# Altium PCB 电流测试工装板.PcbDoc (part 1 of 2)
Units mil, origin at the board's own origin, x right, y up, seen from the top; angles counter-clockwise.
Board outline 3885 x 2755 mil, 2 copper layers (Top Layer, Bottom Layer); 111 components, 106 nets, 455 pads, 494 vias.
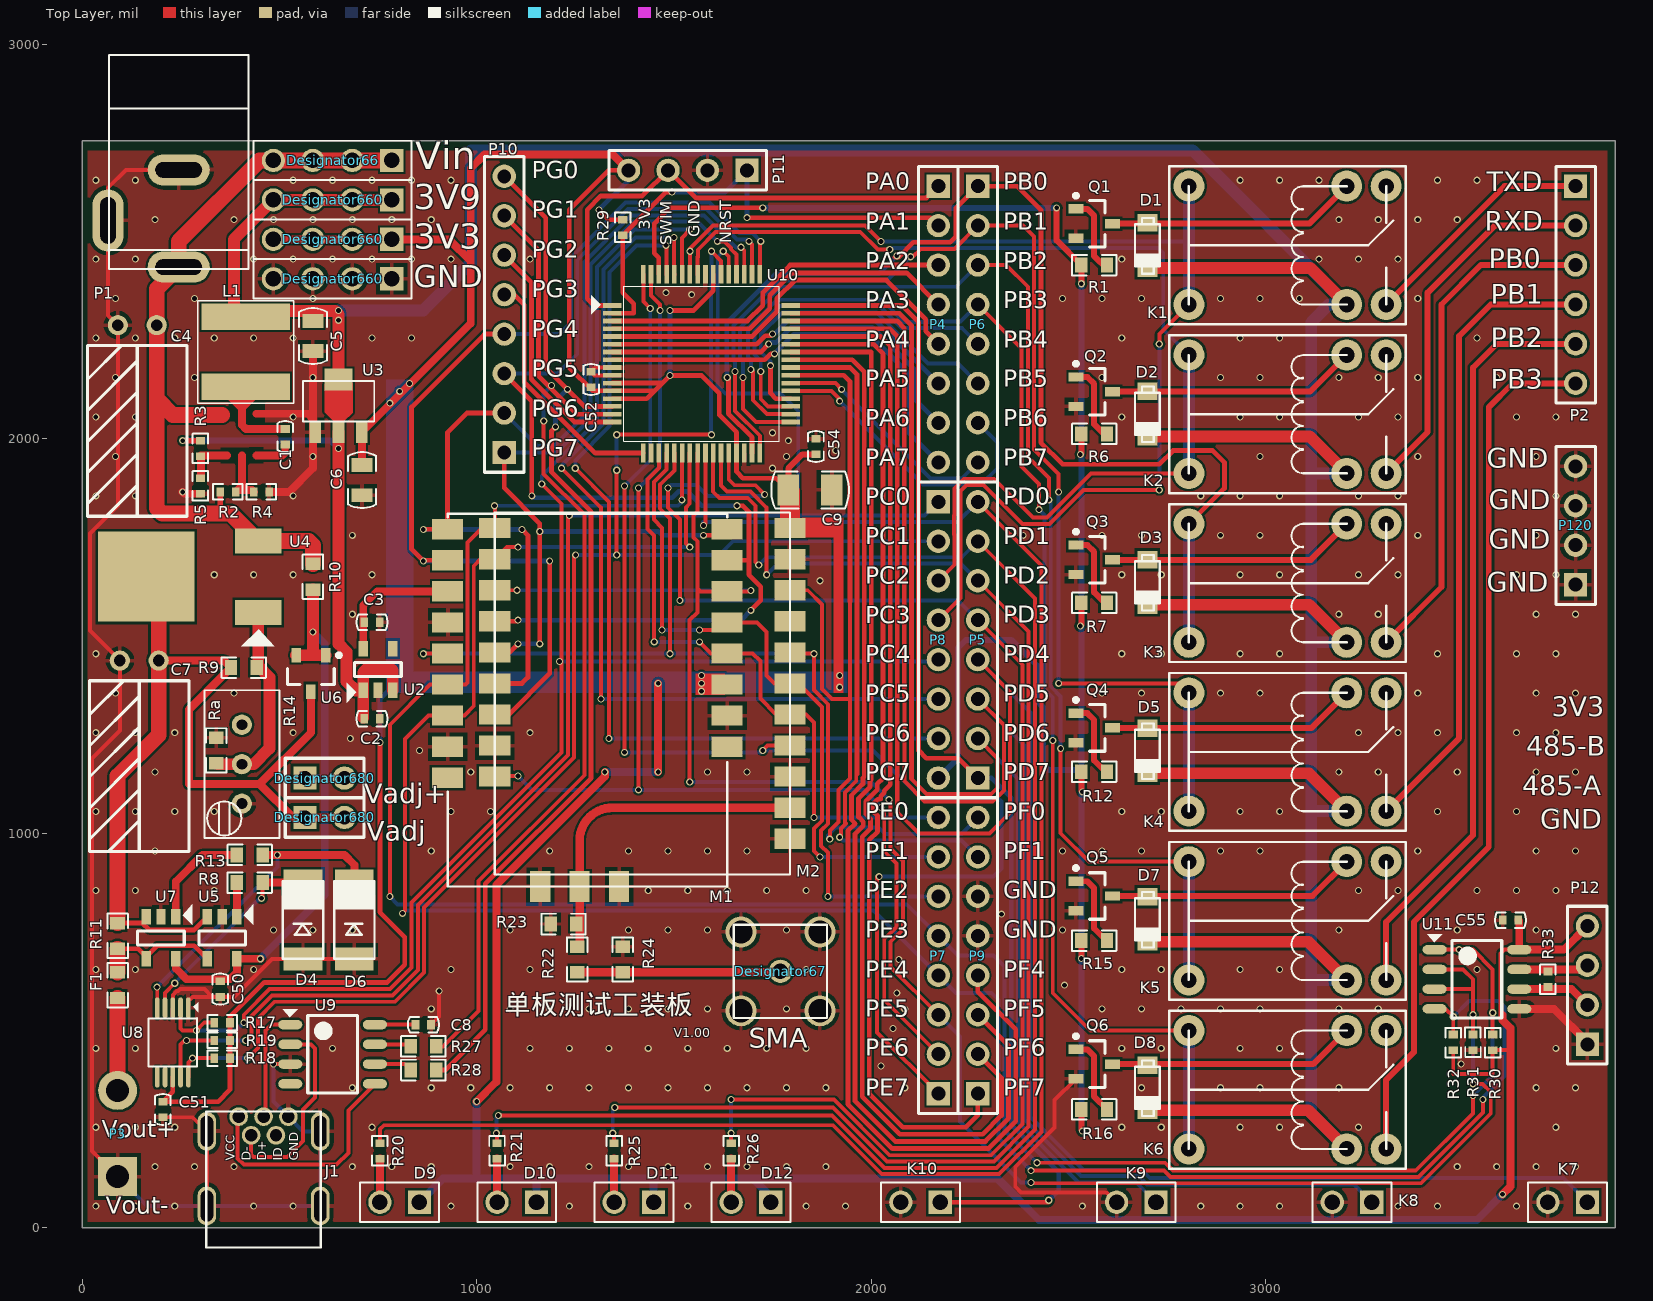
[diagram p0: Top Layer view]
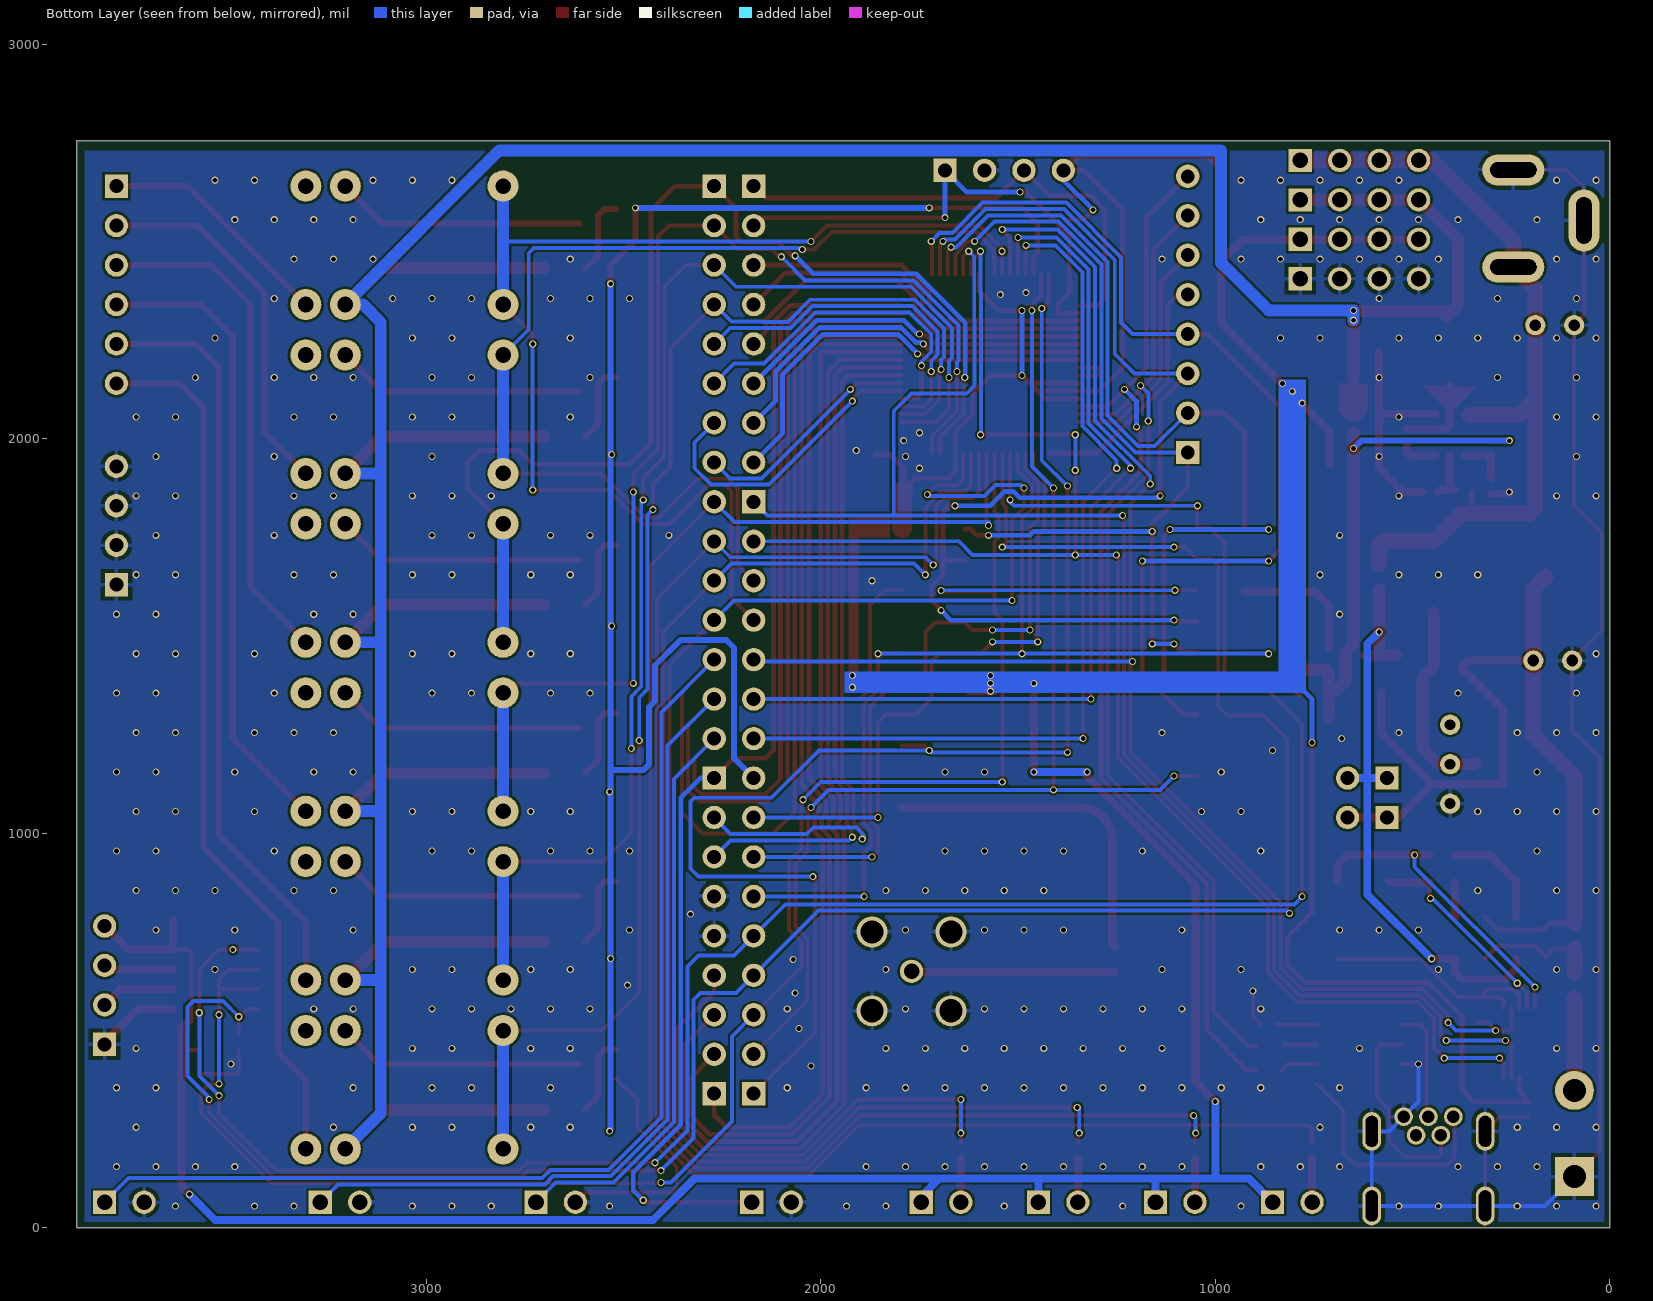
[diagram p1: Bottom Layer view, seen from below]
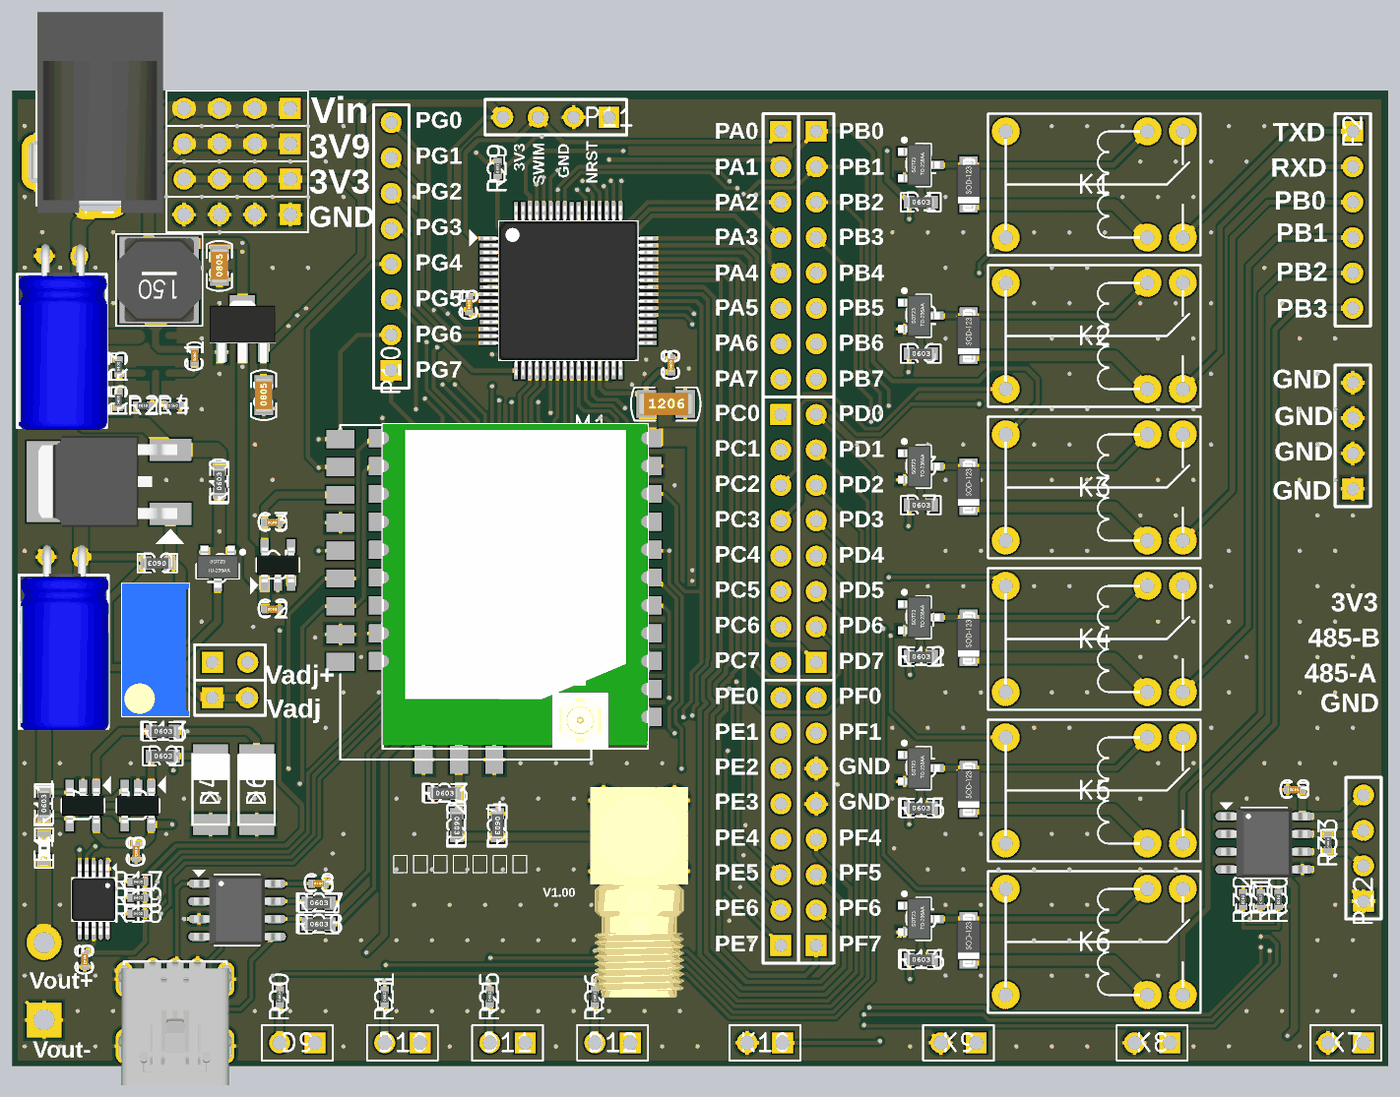
[diagram p3: 3D render of the assembled board from above, using the file's embedded part models]

## Layer stack, top to bottom
Top Solder: solder mask 0.4, Solder Resist, Dk 3.5
Top Layer: signal copper 1.4
Dielectric1: dielectric 12.6, FR-4, Dk 4.8
Bottom Layer: signal copper 1.4
Bottom Solder: solder mask 0.4, Solder Resist, Dk 3.5

## Board outline
0,0 3885,0 3885,2755 0,2755

## Design rules (kind name [scope] priority, off if disabled: settings)
Clearance [All] p1: gap=6
ComponentClearance [All] p1 off: gap=10 collisioncheckmode=3 verticalgap=10 showdistances=FALSE
Height [All] p1 off: minheight=0 maxheight=1000 prefheight=500
MinimumSolderMaskSliver [All] p1: minsoldermaskwidth=0
PolygonConnect VIA [IsVia] p1: connectstyle=Direct reliefconductorwidth=10 reliefentries=4 polygonreliefangle="90 Angle" airgapwidth=10
PolygonConnect [All] p2: connectstyle=Relief reliefconductorwidth=10 reliefentries=4 polygonreliefangle="90 Angle" airgapwidth=10
RoutingVias [All] p1: holewidth=12 width=18 viastyle="Through Hole" minholewidth=12 minwidth=18 maxholewidth=28 maxwidth=50
SilkToSilkClearance [All] p1: silktosilkclearance=0
SilkToSolderMaskClearance [IsPad] p1: minsilkscreentomaskgap=0 clearancetoexposedcopper=TRUE
SolderMaskExpansion [All] p1: expansion=4
Width [All] p1: maxlimit=66666 minlimit=6 preferedwidth=10
25 further rules are at their usual default settings.

## Classes and differential pairs
component class 电流测试工装板: C1 C2 C3 C4 C5 C6 C7 C8 C9 D1 D2 D3 D4 D5 D6 D7 D8 D9 D10 D11 D12 F1 J1 K1 K2 K3 K4 K5 K6 K7 K8 K9 K10 L1 M1 M2 P1 P2 P3 P4 P5 P6 P7 P8 P9 P10 P11 P12 Q1 Q2 Q3 Q4 Q5 Q6 R1 R2 R3 R4 R5 R6 R7 R8 R9 R10 R11 R12 R13 R14 R15 R16 R17 R18 R19 R20 R21 R22 R23 R24 R25 R26 R27 R28 R29 R30 R31 R32 R33 U2 U3 U4 U5 U6 U7 U8 U9 U10 U11

## Components (designator, comment, footprint, x,y, rotation, side; value= is the part's Value field where it differs from the comment)
C1 "0.1uF±10%/50V" c0402 515,2005 r270 top
C2 "1uF" C0402 735,1290 r180 top
C3 "0.1uF" C0402 735,1535 r180 top
C4 "330uF±20%/10V" CAP_2P_2R5_D6R3H11_W 140,2020 r180 top
C5 "10uF±10%/16V" c0805 585,2260 r90 top
C6 "10uF±10%/16V" c0805 710,1895 r90 top
C7 "330uF±20%/10V" CAP_2P_2R5_D6R3H11_W 145,1170 r180 top
C8 "100nF" c0402 865,515 r0 top
C9 "47uF±20%/6.3V" C1206 1845,1870 r0 top
C50 "100nF" c0402 350,605 r270 top (schematic designator C8)
C51 "100nF" c0402 205,300 r270 top (schematic designator C8)
C52 "100nF" c0402 1290,2150 r90 top (schematic designator C8)
C54 "100nF" c0402 1860,1980 r90 top (schematic designator C8)
C55 "100nF" c0402 3620,780 r180 top (schematic designator C8)
D1 "1N4148" SOD123_2P_1R6X2R7 2700,2490 r270 top
D2 "1N4148" SOD123_2P_1R6X2R7 2700,2063 r270 top
D3 "1N4148" SOD123_2P_1R6X2R7 2700,1636 r270 top
D4 "3.9V/1W" LL41_2P_D2R5H5R0 560,780 r90 top
D5 "1N4148" SOD123_2P_1R6X2R7 2700,1209 r270 top
D6 "3.9V/1W" LL41_2P_D2R5H5R0 690,780 r90 top
D7 "1N4148" SOD123_2P_1R6X2R7 2700,782 r270 top
D8 "1N4148" SOD123_2P_1R6X2R7 2700,355 r270 top
D9 "LED/红" PZ_1X2P_2R54_Z 805,65 r180 top
D10 "LED/红" PZ_1X2P_2R54_Z 1101.67,65 r180 top
D11 "LED/红" PZ_1X2P_2R54_Z 1398.33,65 r180 top
D12 "LED/红" PZ_1X2P_2R54_Z 1695,65 r180 top
Designator66 "Comment" PZ_1X4P_2R54_Z 635,2705 r180 top
Designator67 "Comment" RF_SMA_W_DIP 1770,650 r180 top
Designator660 "Comment" PZ_1X4P_2R54_Z 635,2605 r180 top
Designator660 "Comment" PZ_1X4P_2R54_Z 635,2505 r180 top
Designator660 "Comment" PZ_1X4P_2R54_Z 635,2405 r180 top
Designator680 "Comment" HDR1X2#1 565,1040 r0 top
Designator680 "Comment" HDR1X2#1 565,1140 r0 top
F1 "100mA/15V" FUSE0603 90,615 r90 top
J1 "（mini）" DIP_MINI_USB-1 460,150 r0 top
K1 "Relay-SPDT" SRS-XXVDC-SL 3055,2490 r180 top
K2 "Relay-SPDT" SRS-XXVDC-SL 3055,2062 r180 top
K3 "Relay-SPDT" SRS-XXVDC-SL 3055,1634 r180 top
K4 "Relay-SPDT" SRS-XXVDC-SL 3055,1206 r180 top
K5 "Relay-SPDT" SRS-XXVDC-SL 3055,778 r180 top
K6 "Relay-SPDT" SRS-XXVDC-SL 3055,350 r180 top
K7 "轻触开关" PZ_1X2P_2R54_Z 3765,65 r180 top
K8 "轻触开关" PZ_1X2P_2R54_Z 3218.33,65 r180 top
K9 "轻触开关" PZ_1X2P_2R54_Z 2671.67,65 r180 top
K10 "轻触开关" PZ_1X2P_2R54_Z 2125,65 r180 top
L1 "SWPA6028S4R7MT" SMD_INC_2P_6R0X6R0 415,2220 r90 top
M1 "BLM0210B" FskMode_BL 1635,1810 r180 top
M2 "RM-LORA-LF" LORA_PIN_1 1420,1360 r180 top
P1 "Header 2" DC5_3P_9R5X14_P 245,2435 r180 top
P2 "Header 6" HDR1X6 3785,2640 r270 top
P3 "被测板" HDR1X2#2 90,130 r90 top
P4 "Header 8" HDR1X8 2170,2640 r270 top
P5 "Header 8" HDR1X8 2270,1140 r90 top
P6 "Header 8" HDR1X8 2270,2640 r270 top
P7 "Header 8" HDR1X8 2170,340 r90 top
P8 "Header 8" HDR1X8 2170,1840 r270 top
P9 "Header 8" HDR1X8 2270,340 r90 top
P10 "Header 8" HDR1X8 1070,1965 r90 top
P11 "Header 4" HDR1X4 1685,2680 r180 top
P12 "Header 4" HDR1X4 3815,465 r90 top
P120 "Header 4" HDR1X4 3785,1630 r90 top (schematic designator P12)
Q1 "S8050" SOT23_3P_0R95_1R3X2R9 2565,2545 r0 top
Q2 "S8050" SOT23_3P_0R95_1R3X2R9 2565,2119 r0 top
Q3 "S8050" SOT23_3P_0R95_1R3X2R9 2565,1693 r0 top
Q4 "S8050" SOT23_3P_0R95_1R3X2R9 2565,1267 r0 top
Q5 "S8050" SOT23_3P_0R95_1R3X2R9 2565,841 r0 top
Q6 "S8050" SOT23_3P_0R95_1R3X2R9 2565,415 r0 top
R1 "10K±1%" R0603 2565,2440 r0 top
R2 "100K±1%" R0402 370,1865 r180 top
R3 "390k." R0402 300,1975 r90 top
R4 "100K±1%" R0402 455,1865 r180 top
R5 "100K±1%" R0402 300,1880 r90 top
R6 "10K±1%" R0603 2565,2012 r0 top
R7 "10K±1%" R0603 2565,1584 r0 top
R8 "1K±1%" R0603 425,875 r0 top
R9 "100R±1%" R0603 410,1420 r180 top
R10 "3K±1%" R0603 585,1650 r90 top
R11 "1R" R0603 90,740 r90 top
R12 "10K±1%" R0603 2565,1156 r0 top
R13 "1K±1%" R0603 425,945 r0 top
R14 "Res Adj1" RW_3P_3296_W 405,1175 r0 top
R15 "10K±1%" R0603 2565,728 r0 top
R16 "10K±1%" R0603 2565,300 r0 top
R17 "10K±5%" R0402 355,520 r0 top
R18 "10K±5%" R0402 355,430 r0 top
R19 "10K±5%" R0402 355,475 r0 top
R20 "1K±5%" R0402 755,195 r90 top
R21 "1K±5%" R0402 1051.67,195 r90 top
R22 "0R" R0603 1255,680 r270 top
R23 "0R" R0603 1220,770 r0 top
R24 "0R" R0603 1370,680 r270 top
R25 "1K±5%" R0402 1348.33,195 r90 top
R26 "1K±5%" R0402 1645,195 r90 top
R27 "1K±1%" R0603 865,460 r0 top
R28 "1K±1%" R0603 865,400 r0 top
R29 "10K±5%" R0402 1370,2535 r90 top
R30 "10K±5%" R0402 3575,470 r270 top
R31 "10K±5%" R0402 3525,470 r90 top
R32 "10K±5%" R0402 3475,470 r270 top
R33 "NC" R0402 3715,630 r270 top
Ra "100R±1%" R0603 340,1210 r270 top (schematic designator R9)
U2 "XC6228D252" SOT23_5P_0R95_1R6X2R9 750,1415 r90 top
U3 "ht7333" SOT89_3P_1R5_2R5X4R5 650,2095 r0 top
U4 "LM317-ADJ" TO252_3P_2R3_6R2X6R7 285,1650 r90 top
U5 "INA180A2" SOT23_5P_0R95_1R6X2R9 355,735 r270 top
U6 "TL431" SOT23_3P_0R95_1R3X2R9 580,1405 r270 top
U7 "INA180A4" SOT23_5P_0R95_1R6X2R9 200,735 r270 top
U8 "ADS1115" MSOP_10P_3R0X5R0_P 230,470 r270 top
U9 "CH330N" SOP_8P_1R27_3R9X4R9 635,440 r0 top
U10 "STM8L052R8" LQFP_64P_0R5_10R0X10R0 1570,2190 r0 top
U11 "SP3485EN" SOP_8P_1R27_3R9X4R9 3535,630 r0 top

## Footprints (in the part's own frame and the unit in brackets; to place one, negate y for a bottom-side part, rotate by r counter-clockwise, add the part's x,y. Pads: shape width x height; smd on the part's side, far side on the other; paste and mask are expansions set on the pad)
c0402 [mm]
  rect 0.5x0.6 smd: 1(-0.5,0) 2(0.5,0)
  Top Layer pour cut-out: -0.15,0.413 -0.15,-0.416 0.16,-0.417 0.16,0.415
  silkscreen extent -1,-0.5 1,0.5, body extent -0.86,-0.43 0.88,0.41, height 0.51
C0402 [mm]
  rect 0.5x0.6 smd: 1(-0.5,0) 2(0.5,0)
  Top Layer pour cut-out: -0.15,0.413 -0.15,-0.416 0.16,-0.417 0.16,0.415
  silkscreen extent -1,-0.5 1,0.5, body extent -0.86,-0.43 0.88,0.41, height 0.51
c0805 [mm] "Chip Capacitor, 2-Leads, Body 2.00x1.20mm,"
  rect 0.9x1.35 smd: 1(-0.975,0) 2(0.975,0)
  silkscreen extent -1.8,-0.9 1.8,0.9, body extent -1.56,-0.81 1.56,0.81, height 0.79
C1206 [mm]
  rect 1.4x2 smd: 1(-1.4,0) 2(1.4,0)
  silkscreen extent -2.5,-1.2 2.5,1.19, body extent -2.6,-1.1 2.6,1.1, height 1.53
CAP_2P_2R5_D6R3H11_W [mm]
  round 1.3 hole 0.75: 1(-1.25,-6.8) 2(1.25,-6.8)
  silkscreen extent -3.2,-5.5 3.2,5.5, body extent -3.25,-7.66 3.1,5.66, height 6.38
DC5_3P_9R5X14_P [mm]
  oval 4x2 hole 1 slot 3 at 0 deg: 1(0,0) 3(0,-6.25)
  oval 2x4 hole 1 slot 3 at 90 deg: 2(4.55,-3)
  silkscreen extent -4.5,-13.65 4.52,0.13, body extent -4.75,-13.88 5.96,1.25, height 11.25
DIP_MINI_USB-1 [mm]
  round 1.2 hole 0.8: 1(-1.6,3.35) 2(-0.8,2.15) 3(0,3.35) 4(0.8,2.15) 5(1.6,3.35)
  oval 1.2x2.5 hole 0.8 slot 2 at 90 deg: A(-3.65,-2.4) A(-3.65,2.4) A(3.65,-2.4) A(3.65,2.4)
  silkscreen extent -3.68,-5.08 3.68,3.68, body extent -4.07,-5.22 4.08,3.61, height 3.95
FskMode_BL [mm]
  rect 2x1.3 smd: 1(18,1) 2(18,3) 3(18,5) 4(18,7) 5(18,9) 6(18,11) 7(18,13) 8(18,15) 9(18,17) 13(0,15) 14(0,13) 15(0,11) 16(0,9) 17(0,7) 18(0,5) 19(0,3) 20(0,1)
  rect 1.3x2 smd: 10(12.04,24) 11(9.5,24) 12(6.96,24)
  silkscreen extent 0,0 18,24
FUSE0603 [mm]
  rect 0.8x0.95 smd: 1(-0.825,0) 2(0.825,0)
  silkscreen extent -1.42,-0.66 1.43,0.66, body extent -1.35,-0.6 1.34,0.61, height 0.53
HDR1X2#1 [mm] "Connector; Header; 2 Position"
  rect 1.5x1.5 hole 0.9: 1(0,0)
  round 1.5 hole 0.9: 2(2.54,0)
  silkscreen extent -1.27,-1.27 3.81,1.27
HDR1X2#2 [mm] "Connector; Header; 2 Po"
  rect 2.5x2.5 hole 1.5: 1(0,0)
  round 2.5 hole 1.5: 2(5.54,0)
HDR1X4 [mm] "Connector; Header; 4 Po"
  rect 1.5x1.5 hole 0.9: 1(0,0)
  round 1.5 hole 0.9: 2(2.54,0) 3(5.08,0) 4(7.62,0)
  silkscreen extent -1.27,-1.27 8.89,1.27
HDR1X6 [mm] "Connector; Header; 6 Po"
  rect 1.5x1.5 hole 0.9: 1(0,0)
  round 1.5 hole 0.9: 2(2.54,0) 3(5.08,0) 4(7.62,0) 5(10.16,0) 6(12.7,0)
  silkscreen extent -1.27,-1.27 13.97,1.27
HDR1X8 [mm] "Connector; Header; 8 Po"
  rect 1.5x1.5 hole 0.9: 1(0,0)
  round 1.5 hole 0.9: 2(2.54,0) 3(5.08,0) 4(7.62,0) 5(10.16,0) 6(12.7,0) 7(15.24,0) 8(17.78,0)
  silkscreen extent -1.27,-1.27 19.05,1.27
LL41_2P_D2R5H5R0 [mm]
  rect 1.5x2.5 smd: 1(-2.5,0) 2(2.5,0)
  silkscreen extent -2.5,-1.3 2.5,1.3, body extent -2.45,-1.23 2.45,1.3, height 2.51
LORA_PIN_1 [mm]
  rect 2x1.3 smd: 1(9.5,-10.5) 2(9.5,-8.5) 3(9.5,-6.5) 4(9.5,-4.5) 5(9.5,-2.5) 6(9.5,-0.5) 7(9.5,1.5) 8(9.5,3.5) 9(9.5,5.5) 10(-9.5,9.5) 11(-9.5,7.5) 12(-9.5,5.5) 13(-9.5,3.5) 14(-9.5,1.5) 15(-9.5,-0.5) 16(-9.5,-2.5) 17(-9.5,-4.5) 18(-9.5,-6.5) 19(-9.5,-8.5) 20(-9.5,-10.5)
  silkscreen extent -9.5,-11.5 9.5,11.8, body extent -9.5,-11.5 9.5,11.75, height 1.7
LQFP_64P_0R5_10R0X10R0 [mm]
  rect 1.2x0.3 smd: 1(-5.75,3.75) 2(-5.75,3.25) 3(-5.75,2.75) 4(-5.75,2.25) 5(-5.75,1.75) 6(-5.75,1.25) 7(-5.75,0.75) 8(-5.75,0.25) 9(-5.75,-0.25) 10(-5.75,-0.75) 11(-5.75,-1.25) 12(-5.75,-1.75) 13(-5.75,-2.25) 14(-5.75,-2.75) 15(-5.75,-3.25) 16(-5.75,-3.75) 33(5.75,-3.75) 34(5.75,-3.25) 35(5.75,-2.75) 36(5.75,-2.25) 37(5.75,-1.75) 38(5.75,-1.25) 39(5.75,-0.75) 40(5.75,-0.25) 41(5.75,0.25) 42(5.75,0.75) 43(5.75,1.25) 44(5.75,1.75) 45(5.75,2.25) 46(5.75,2.75) 47(5.75,3.25) 48(5.75,3.75)
  rect 0.3x1.2 smd: 17(-3.75,-5.75) 18(-3.25,-5.75) 19(-2.75,-5.75) 20(-2.25,-5.75) 21(-1.75,-5.75) 22(-1.25,-5.75) 23(-0.75,-5.75) 24(-0.25,-5.75) 25(0.25,-5.75) 26(0.75,-5.75) 27(1.25,-5.75) 28(1.75,-5.75) 29(2.25,-5.75) 30(2.75,-5.75) 31(3.25,-5.75) 32(3.75,-5.75) 49(3.75,5.75) 50(3.25,5.75) 51(2.75,5.75) 52(2.25,5.75) 53(1.75,5.75) 54(1.25,5.75) 55(0.75,5.75) 56(0.25,5.75) 57(-0.25,5.75) 58(-0.75,5.75) 59(-1.25,5.75) 60(-1.75,5.75) 61(-2.25,5.75) 62(-2.75,5.75) 63(-3.25,5.75) 64(-3.75,5.75)
  silkscreen extent -7.1,-5 5,5, body extent -6.42,-6.41 6.41,6.44, height 1.62
MSOP_10P_3R0X5R0_P [mm] "TSSOP, 10-Leads, Body 3.00x3.00mm, Pitch 0.50mm, Thermal Pad 2.10x1.83mm, IPC"
  oval 1.35x0.3 smd: 1(-2.225,1) 2(-2.225,0.5) 3(-2.225,0) 4(-2.225,-0.5) 5(-2.225,-1) 6(2.225,-1) 7(2.225,-0.5) 8(2.225,0) 9(2.225,0.5) 10(2.225,1)
  silkscreen extent -2.6,-1.55 1.55,1.65, body extent -3.03,-1.65 3.07,1.65, height 1.1
PZ_1X2P_2R54_Z [mm]
  rect 1.5x1.5 hole 1: 1(-1.27,0)
  round 1.5 hole 1: 2(1.27,0)
  silkscreen extent -2.54,-1.27 2.54,1.27, body extent -2.54,-1.27 2.54,1.27, height 8.57
PZ_1X4P_2R54_Z [mm]
  rect 1.5x1.5 hole 1: 1(-3.81,0)
  round 1.5 hole 1: 2(-1.27,0) 3(1.27,0) 4(3.81,0)
  silkscreen extent -5.08,-1.27 5.08,1.27, body extent -5.08,-1.27 5.08,1.27, height 8.57
R0402 [mm]
  rect 0.5x0.6 smd: 1(-0.5,0) 2(0.5,0)
  Top Layer pour cut-out: -0.15,0.413 -0.15,-0.416 0.16,-0.417 0.16,0.415
  silkscreen extent -0.94,-0.5 0.96,0.5, body extent -0.86,-0.43 0.88,0.41, height 0.51
R0603 [mm]
  rect 0.8x0.95 smd: 1(-0.825,0) 2(0.825,0)
  silkscreen extent -1.42,-0.66 1.43,0.66, body extent -1.34,-0.6 1.34,0.61, height 0.79
RF_SMA_W_DIP [mm]
  round 1.5 hole 1: 1(0,0)
  round 2 hole 1.5: 2(-2.54,2.54) 2(-2.54,-2.54) 2(2.54,2.54) 2(2.54,-2.54)
  silkscreen extent -3,-3 3,3, body extent -3.5,-3.5 3.5,11.6, height 9.86
RW_3P_3296_W [mm]
  round 1.3 hole 0.7: 1(0,-2.54) 2(0,0) 3(0,2.54)
  silkscreen extent -2.41,-4.76 2.41,4.76, body extent -2.42,-4.77 2.42,4.77, height 11.55
SMD_INC_2P_6R0X6R0 [mm]
  rect 1.7x5.7 smd: 1(-2.25,0) 2(2.25,0)
  silkscreen extent -3.3,-3.1 3.3,3.1, body extent -3.3,-3.1 3.3,3.1, height 2.81
SOD123_2P_1R6X2R7 [mm]
  rect 1.15x1.3 smd: 1(-1.45,0) 2(1.45,0)
  silkscreen extent -1.76,-0.8 1.82,0.8, body extent -2.26,-0.92 2.27,0.93, height 1.42
SOP_8P_1R27_3R9X4R9 [mm] "SOP, 8-Leads, Body 4.89x3.90mm, Pitch 1.27mm, IPC"
  oval 1.55x0.6 smd: 1(-2.725,1.905) 2(-2.725,0.635) 3(-2.725,-0.635) 4(-2.725,-1.905) 5(2.725,-1.905) 6(2.725,-0.635) 7(2.725,0.635) 8(2.725,1.905)
  silkscreen extent -3.2,-2.5 1.6,2.89, body extent -3.7,-2.75 3.7,2.75, height 1.75
SOT23_3P_0R95_1R3X2R9 [mm] "SOT23, 3-Leads, Body 2.90x2.40mm, Pitch 0.95mm,"
  rect 0.95x0.6 smd: 1(-1.175,0.95) 2(-1.175,-0.95) 3(1.175,0)
  silkscreen extent -1.3,-1.5 0.7,1.92, body extent -1.82,-1.61 1.81,1.62, height 1.3
SOT23_5P_0R95_1R6X2R9 [mm]
  rect 1x0.6 smd: 1(-1.35,0.95) 2(-1.35,0) 3(-1.35,-0.95) 4(1.35,-0.95) 5(1.35,0.95)
  silkscreen extent -2.15,-1.5 0.45,2, body extent -1.25,-1.5 1.25,1.5, height 1.05
SOT89_3P_1R5_2R5X4R5 [mm]
  rect 0.75x1.4 smd: 1(-1.5,-2) 2(0,-2) 3(1.5,-2)
  rect 1.8x1.4 smd: 2(0,1.4)
  Top Layer region: -0.9,1.1 -0.9,-0.7 -0.3,-1.3 0.35,-1.3 0.9,-0.75 0.9,1.2
  silkscreen extent -2.3,-1.3 2.3,1.3, body extent -2.35,-2.83 2.35,2.1, height 1.7
SRS-XXVDC-SL [mm]
  round 2 hole 1: 1(6.35,3.81) 1(6.35,-3.81) 2(-6.35,-3.81) 3(-6.35,3.81) 4(-3.81,3.81) 5(-3.81,-3.81)
  silkscreen extent -7.62,-5.08 7.62,5.08, body extent -7.6,-5.1 7.6,5.1, height 12
TO252_3P_2R3_6R2X6R7 [mm]
  rect 1.6x3 smd: 1(-2.3,-4.1) 3(2.3,-4.1)
  rect 5.8x6.2 smd: 4(0.01,3.1)
  silkscreen extent -4.48,-5.12 -3.38,-3.02, body extent -3.5,-5.75 3.34,6.54, height 2.34

## Part data
C1: library part 1.2.04.05.0169, "瓷片电容-0.1uF-±10%-16V-X5R-0402"
C2 C3: library part Cap, "Capacitor,Ceramic,0603-16V-X5R-104-K-YAGEO"
C4 C7: library part 1.2.04.03.0001, "电解电容_330uF±20%/10V_0.2R_-40~10"
C5 C6: library part 1.2.04.05.0201, "瓷片电容-10uF-±10%-16V-X5R-0805"
C8 C9 C50 C51 C52 C54 C55: library part 1.2.04.05.0001, "MLCC_47uF±20%_6.3V_X5R_H1.6mm_1206"
D1 D2 D3 D5 D7 D8: library part 1.2.08.01.0002, "开关二极管_1N4148_0.3A"
D4 D6: library part 1.2.08.04.0001, "稳压二极管_"
D9 D10 D11 D12: library part 1.2.08.02.0002, "发光二?"
F1: library part 1.2.13.03.0001, "自恢复保险丝_0.05A/15V_100"
K1 K2 K3 K4 K5 K6: "Single-Pole Dual-T"
K7 K8 K9 K10: library part 1.2.15.01.0001, "轻触开关_12Vdc/50mA_0.25mm_250gf_3"
L1: library part Inductor
M1: library part 1.1.01.38.0002, "SI4463模块，不带LNA"
M2: library part 1.1.01.38.0003, "LORA模块_RM-LORA-PCB11-V2.21_430M~490M"
P1: "Hea"
P2: "Header, 6-Pin"
P3: library part "Header 2", "Header, 2-Pin"
P4 P5 P6 P7 P8 P9 P10: "Header, 8-Pin"
P11 P12 P120: "Header, 4-Pin"
Q1 Q2 Q3 Q4 Q5 Q6: library part 1.2.08.08.0002, "三极管	_NPN_S8050_Vceo=25V_Ic=0.5A_β>50_SOT23"
R1 R6 R7 R12 R15 R16 R22 R23 R24: library part 1.2.03.01.0009, "电阻_"
R2 R4 R5: library part 1.2.03.01.XXX1, "贴片电阻，1"
R3: library part 1.2.03.01.0019, "电阻_5"
R8 R13 R27 R28: library part 1.2.03.01.0006, "电阻"
R9 Ra: library part 1.2.03.01.0017, "电阻_1"
R10 R11: library part 1.2.03.01.0027, "电阻"
R14: "Variabl"
R17 R18 R19 R29 R30 R31 R32 R33: library part 1.2.03.01.0012, "电阻_"
R20 R21 R25 R26: library part 1.2.03.01.0014, "电阻"
U2: library part 1.2.18.07.0003, "XC6228D252_LDO稳压_500mA/2.5"
U3: library part 1.2.18.07.0002, "HT7333_LDO稳压_250mA/3."
U4: library part 1.2.18.07.0002, "HT7333_LDO稳压_250mA/3.3"
U6: library part TL431A
U10: library part 1.2.18.01.0001, "MCU_STM8L052R8_Vin=1.8~3.6V_16MHz_Flash/64Kb_RAM/4Kb_8λ_E2PROM/256B_LCD8X2"
U11: library part 1.2.18.09.0173, "RS485收发器-SP3485EN-支持485收发-SOP8"

## Via types
v1: diameter 18, hole 12, Top Layer to Bottom Layer, tented both sides, 494 vias

## Nets (pads, with @x,y where several pads share a name; then routed paths per layer and width w, separated by ;. In a path a pad name is that pad's centre, name@x,y a point inside that pad or via, vN(x,y) a via of type N, cw(c..) or ccw(c..) an arc to the next point about the centre after c; other vN are vias at no path point)
AIN0: D4.2 R8.2 U8.4 | length 526.6
  Top Layer w10: U8.4@210.32,557.6 210.32,595.32 v1(235,620) ; v1(455,835) 457.48,837.48 R8.2@457.48,875
  Top Layer w20: R8.2@457.48,875 556.57,875 D4.2@560,878.43
  Bottom Layer w10: v1(235,620) 450,835 v1(455,835)
AIN1: D6.2 R13.2 U8.5 | length 798.4
  Top Layer w10: v1(190,610) 190.63,609.37 U8.5@190.63,557.6
  Top Layer w20: R13.2@457.48,945 v1(495,945) 665,945 690,920 D6.2@690,878.43
  Bottom Layer w10: v1(190,610) 495,915 v1(495,945)
AIN2: U8.6
AIN3: U8.7
GND: C2.1 C3.1 C4.2 C5.1 C6.1 C7.2 C8.2 C9.2 C50.2 C51.2 C52.2 C54.2 C55.2 D4.1 D6.1 Designator67.2 Designator660.1@785,2405 Designator660.2@685,2405 Designator660.3@585,2405 Designator660.4@485,2405 J1.5 J1.A K7.2 K8.2 K9.2 K10.2 M1.4 M1.8 M1.10 M1.12 M1.14 M2.8 M2.10 M2.12 M2.19 P1.2 P1.3 P3.1 P9.5 P9.6 P11.2 P12.1 P120.1 P120.2 P120.3 P120.4 Q1.2 Q2.2 Q3.2 Q4.2 Q5.2 Q6.2 R4.1 R5.1 R14.1 R23.1 R24.1 R31.1 Ra.1 U2.2 U3.1 U5.2 U7.2 U8.1 U8.3 U9.3 U10.9 U10.10 U10.30 U10.56 U11.5 | length 6447.1
  Top Layer w10: P3.1@90,130 25,195 25,1190 95.79,1260.79 C7.2@95.79,1437.72 20,1513.5 20,1760 90.79,1830.79 C4.2@90.79,2287.72 65.87,2312.64 P1.2@65.87,2553.11 65.87,2635.87 111.06,2681.06 P1.3@245,2681.06 ; C51.2@205,280.32 280.47,280.32 J1.A@316.3,244.49 J1.A@316.3,55.51 ; U8.3@230,557.6 230,590 240,600 243.28,600 248.28,605 310,605 329.68,585.32 ; U8.1@269.37,557.6 269.37,574.37 280.32,585.32 329.68,585.32 ; v1(485,415) U9.3@527.72,415 ; D6.1@690,681.57 D4.1@560,681.57 481.57,681.57 385.32,585.32 C50.2@350,585.32 329.68,585.32 ; C8.2@884.68,515 905,535.32 v1(905,600) ; U10.10@1343.62,2160.47 1299.21,2160.47 C52.2@1290,2169.69 1300.47,2180.16 U10.9@1343.62,2180.16 ; Q6.2@2518.74,377.6 2465,323.86 2465,254.54 2365,154.54 2365,105 2380,90 2596.67,90 K9.2@2621.67,65
  Top Layer w20: v1(255,1865) 259.68,1860.31 R5.1@300,1860.31 ; 442.4,2063.15 571.85,2063.15 585,2050 ; R4.1@474.68,1865 525,1865 585,1925 585,2050 ; C5.1@585,2220 585,2050 ; U11.5@3642.28,555 3730,555 P12.1@3815,470
  Bottom Layer w10: P3.1@90,130 164.49,55.51 J1.A@316.3,55.51 J1.A@603.7,55.51 J1.A@603.7,244.49 560.39,244.49 J1.5@522.99,281.89 485,319.88 v1(485,415)
  other v1: 35,55 135,55 235,55 435,55 535,55 935,55 1235,55 1535,55 1835,55 1935,55 2535,55 2835,55 2935,55 3035,55 3335,55 3435,55 3635,55 185,155 285,155 385,155 685,155 785,155 885,155 1085,155 1185,155 1285,155 1385,155 1485,155 1585,155 1685,155 1785,155 1885,155 3485,155 3585,155 3685,155 3785,155 35,255 135,255 235,255 735,255 2635,255 2735,255 2935,255 3035,255 3235,255 3735,255 685,355 885,355 985,355 1085,355 1185,355 1285,355 1385,355 1485,355 1585,355 1685,355 1785,355 1885,355 2085,355 2685,355 2885,355 2985,355 3185,355 3685,355 3785,355 2025,410 3495,415 35,455 135,455 635,455 1135,455 1235,455 1335,455 1435,455 1535,455 1635,455 1735,455 1835,455 2635,455 2735,455 2935,455 3035,455 3735,455 2055,505 885,555 1085,555 1185,555 1285,555 1385,555 1485,555 1585,555 1785,555 2085,555 2585,555 2685,555 2785,555 2885,555 2985,555 3185,555 3285,555 2065,595 2490,615 35,655 135,655 435,655 935,655 1135,655 1835,655 2635,655 2735,655 2935,655 3035,655 3535,655 2070,680 485,755 585,755 685,755 1085,755 1385,755 1485,755 1585,755 1785,755 2485,755 3185,755 3485,755 3685,755 2330,795 35,855 135,855 335,855 1435,855 1535,855 1635,855 1735,855 1835,855 3235,855 3335,855 3535,855 3635,855 3735,855 185,955 885,955 1185,955 1385,955 1485,955 1585,955 1685,955 2485,955 2585,955 2685,955 2885,955 2985,955 3385,955 3685,955 3785,955 35,1055 135,1055 235,1055 335,1055 935,1055 1035,1055 2635,1055 2735,1055 2935,1055 3035,1055 3435,1055 3635,1055 3735,1055 185,1155 985,1155 1585,1155 1685,1155 3185,1155 3285,1155 3485,1155 3685,1155 3785,1155 855,1210 680,1240 35,1255 135,1255 235,1255 535,1255 1135,1255 3235,1255 3335,1255 3435,1255 3635,1255 3735,1255 85,1355 385,1355 2585,1355 2685,1355 2885,1355 2985,1355 3385,1355 3685,1355 3785,1355 35,1455 2635,1455 2735,1455 2935,1455 3035,1455 3435,1455 3635,1455 3735,1455 685,1555 3185,1555 3285,1555 3685,1555 3785,1555 1870,1640 335,1655 435,1655 535,1655 735,1655 2635,1655 2735,1655 2935,1655 3035,1655 3235,1655 3335,1655 3635,1655 3735,1655 685,1755 2385,1755 2585,1755 2685,1755 2885,1755 2985,1755 3385,1755 3685,1755 35,1855 135,1855 535,1855 2835,1855 2935,1855 3035,1855 3235,1855 3335,1855 3635,1855 3735,1855 1750,1925 85,1955 585,1955 1785,1955 2985,1955 3385,1955 3685,1955 1910,1970 1790,1995 1750,2015 35,2055 135,2055 535,2055 2635,2055 2935,2055 3035,2055 3235,2055 3335,2055 3635,2055 3735,2055 85,2155 285,2155 585,2155 2585,2155 2885,2155 2985,2155 3185,2155 3285,2155 3385,2155 3585,2155 35,2255 135,2255 235,2255 335,2255 435,2255 535,2255 735,2255 835,2255 2635,2255 2935,2255 3035,2255 3535,2255 85,2355 285,2355 585,2355 2485,2355 2585,2355 2685,2355 2885,2355 2985,2355 3085,2355 3385,2355 1545,2365 1480,2370 35,2455 135,2455 435,2455 535,2455 635,2455 735,2455 835,2455 935,2455 1135,2455 2635,2455 3135,2455 3235,2455 3335,2455 185,2555 385,2555 485,2555 585,2555 685,2555 785,2555 885,2555 3185,2555 3285,2555 3385,2555 3485,2555 35,2655 135,2655 535,2655 635,2655 735,2655 835,2655 935,2655 2935,2655 3035,2655 3135,2655 3435,2655 3535,2655
I2C_SCL: P8.2 R18.1 U8.10 U10.54 | length 4056.8
  Top Layer w10: U8.10@269.37,382.4 269.37,419.37 v1(280,430) R18.1@335.32,430 ; v1(420,430) 446,456 446,530.75 488.25,573 793.25,573 867,646.75 867,811.75 1247,1191.75 1247,1701 v1(1251,1705) ; v1(1355,1705) v1(1355,1920) ; v1(1355,2010) v1(1595,2010) ; v1(1595,2475) 1619.21,2450.79 U10.54@1619.21,2416.38
  Bottom Layer w10: v1(280,430) v1(420,430) ; v1(1251,1705) v1(1355,1705) 1615,1705 1650,1740 P8.2@2170,1740 ; v1(1355,1920) v1(1355,2010) ; 1594,2369 1594,2011 v1(1595,2010) ; 1595,2370 v1(1595,2475)
I2C_SDA: P8.1 R19.1 U8.9 U10.53 | length 4038.9
  Top Layer w10: U8.9@249.69,382.4 249.69,464.69 260,475 v1(265,475) R19.1@335.32,475 ; v1(415,475) 430,490 430,537.37 481.63,589 786.63,589 851,653.37 851,818.37 1231,1198.37 1231,1801 v1(1235,1805) ; v1(1625,2475) 1638.9,2461.1 U10.53@1638.9,2416.38
  Bottom Layer w10: v1(265,475) v1(415,475) ; v1(1235,1805) 1815,1805 ; v1(1625,2475) 1611,2461 1611,2301 ; P8.1@2170,1840 2135,1805 1815,1805 ; 1610,2290 1610,2300 1611,2301 ; 1610,2290 1611,2291 1611,2301 ; 1610,2290 1610,2135 1630,2115 1770,2115 1815,2070 1815,1805
NetC1_1: C1.1 L1.1 | length 215.7
  Top Layer w20: L1.1@405,2136.42 405,2063.15 405,2035 415.32,2024.69 C1.1@515,2024.69
NetC1_2: C1.2 | length 96.3
  Top Layer w20: 442.4,1956.85 506.85,1956.85 515,1965 C1.2@515,1985.31
NetC8_1: C8.1 U9.8 | length 103
  Top Layer w10: U9.8@742.28,515 C8.1@845.32,515
NetD1_1: D1.1 K1.5 Q1.3 | length 633.1
  Top Layer w15: Q1.3@2611.26,2545 3110,2545 K1.5@3205,2640
NetD2_1: D2.1 K2.5 Q2.3 | length 632.3
  Top Layer w15: Q2.3@2611.26,2119 3112,2119 K2.5@3205,2212
NetD3_1: D3.1 K3.5 Q3.3 | length 631.4
  Top Layer w15: Q3.3@2611.26,1693 3114,1693 K3.5@3205,1784
NetD5_1: D5.1 K4.5 Q4.3 | length 630.6
  Top Layer w15: Q4.3@2611.26,1267 3116,1267 K4.5@3205,1356
NetD7_1: D7.1 K5.5 Q5.3 | length 629.8
  Top Layer w15: Q5.3@2611.26,841 3118,841 K5.5@3205,928
NetD8_1: D8.1 K6.5 Q6.3 | length 628.9
  Top Layer w15: Q6.3@2611.26,415 3120,415 K6.5@3205,500
NetD9_2: D9.2 R20.1 | length 110.3
  Top Layer w20: D9.2@755,65 R20.1@755,175.32
NetD10_2: D10.2 R21.1 | length 110.3
  Top Layer w20: D10.2@1051.67,65 R21.1@1051.67,175.32
NetD11_2: D11.2 R25.1 | length 110.3
  Top Layer w20: D11.2@1348.33,65 R25.1@1348.33,175.32
NetD12_2: D12.2 R26.1 | length 110.3
  Top Layer w20: D12.2@1645,65 R26.1@1645,175.32
NetF1_1: F1.1 P3.2 | length 254.4
  Top Layer w40: P3.2@90,328.11 F1.1@90,582.52
NetF1_2: F1.2 R11.1 U5.4 U7.4 | length 321.1
  Top Layer w12: R11.1@90,707.52 142.48,707.52 162.6,687.4 190.2,715 284.45,715 U5.4@317.6,681.85
  Top Layer w40: F1.2@90,647.48 R11.1@90,707.52
NetJ1_1: J1.1 U9.5 | length 612
  Top Layer w10: J1.1@397.01,281.89 393.88,281.89 393.88,176.12 410,160 645,160 675,190 675,297.72 U9.5@742.28,365
NetJ1_2: J1.2 U9.2 | length 512.8
  Top Layer w10: J1.2@428.5,234.65 428.5,186.5 435,180 520,180 560,220 560,300 590,330 590,455 580,465 U9.2@527.72,465
NetJ1_3: J1.3 U9.1 | length 289.1
  Top Layer w10: J1.3@460,281.89 465,286.89 465,500 480,515 U9.1@527.72,515
NetK1_3: K1.3 P2.1 | length 604.3
  Top Layer w15: K1.3@3305,2340 3605,2640 P2.1@3785,2640
NetK2_3: K2.3 P2.2 | length 946.9
  Top Layer w15: K2.3@3305,1912 3410,2017 3410,2370 3580,2540 P2.2@3785,2540
NetK3_3: K3.3 P2.3 | length 1295.4
  Top Layer w15: K3.3@3305,1484 3445,1624 3445,2340 3545,2440 P2.3@3785,2440
NetK4_3: K4.3 P2.4 | length 1608.8
  Top Layer w15: K4.3@3305,1056 3490,1241 3490,2260 3570,2340 P2.4@3785,2340
NetK5_3: K5.3 P2.5 | length 1928
  Top Layer w15: K5.3@3305,628 3305,775 3525,995 3525,2180 3585,2240 P2.5@3785,2240
NetK6_3: K6.3 P2.6 | length 2232.5
  Top Layer w15: K6.3@3305,200 3305,375 3375,445 3375,775 3565,965 3565,2080 3625,2140 P2.6@3785,2140
NetM1_11: M1.11 M2.11 R22.1 R23.2 | length 852
  Top Layer w22: R22.1@1255,712.48 1260.98,718.46 M1.11@1260.98,865.12 1260.98,982.02 cw(c1342.98,982.02) 1285,1040 cw(c1344.69,980.31) 1344.69,1064.72 M2.11@1794.02,1064.72
NetQ1_1: Q1.1 R1.2 | length 201.9
  Top Layer w15: Q1.1@2518.74,2582.4 2547.6,2582.4 2565,2565 2565,2462.48 R1.2@2597.48,2430
NetQ2_1: Q2.1 R6.2 | length 201.9
  Top Layer w15: Q2.1@2518.74,2156.4 2547.6,2156.4 2565,2139 2565,2036.48 R6.2@2597.48,2004
NetQ3_1: Q3.1 R7.2 | length 201.9
  Top Layer w15: Q3.1@2518.74,1730.4 2547.6,1730.4 2565,1713 2565,1610.48 R7.2@2597.48,1578
NetQ4_1: Q4.1 R12.2 | length 201.9
  Top Layer w15: Q4.1@2518.74,1304.4 2547.6,1304.4 2565,1287 2565,1184.48 R12.2@2597.48,1152
NetQ5_1: Q5.1 R15.2 | length 201.9
  Top Layer w15: Q5.1@2518.74,878.4 2547.6,878.4 2565,861 2565,758.48 R15.2@2597.48,726
NetQ6_1: Q6.1 R16.2 | length 201.9
  Top Layer w15: Q6.1@2518.74,452.4 2547.6,452.4 2565,435 2565,332.48 R16.2@2597.48,300
NetR2_1: R2.1 R4.2 | length 133.8
  Top Layer w20: 405,1956.85 405,1880.31 394.68,1870 430.32,1870 R4.2@435.32,1865
NetR3_1: R3.1 R5.2 | length 123.9
  Top Layer w20: R5.2@300,1899.69 301.54,1901.22 301.54,1956.85 367.6,1956.85
NetR8_1: R8.1 U5.1 | length 86.7
  Top Layer w20: U5.1@392.4,788.15 R8.1@392.4,874.88
NetR9_1: R9.1 R14.2 Ra.2 U4.1 | length 508.9
  Top Layer w30: Ra.2@340,1177.52 342.52,1175 R14.2@405,1175 435,1175 475,1215 475,1395.35 446.42,1423.94 U4.1@446.42,1559.45
NetR13_1: R13.1 U7.1 | length 272.4
  Top Layer w20: U7.1@237.4,788.15 237.4,877.4 305,945 R13.1@392.52,945
NetR22_2: Designator67.1 R22.2 R24.2 | length 516
  Top Layer w22: R22.2@1255,647.52 R24.2@1370,647.52 1767.52,647.52 Designator67.1@1770,650
NetR27_1: R27.1 U9.7 | length 85.2
  Top Layer w10: U9.7@742.28,465 R27.1@827.52,465
NetR28_1: R28.1 U9.6 | length 96.4
  Top Layer w10: U9.6@742.28,415 817.52,415 R28.1@832.52,400
NRST: P4.2 P11.1 R29.1 U10.2 | length 1259.8
  Top Layer w12: U10.2@1343.62,2317.95 1397.95,2317.95 1397.95,2342.05 1370,2370 R29.1@1370,2515.31 1479.69,2625 v1(1495,2625) ; v1(1685,2560) 2150,2560 P4.2@2170,2540
  Bottom Layer w12: v1(1495,2625) 1630,2625 P11.1@1685,2680 v1(1685,2560)
PA0: P4.1 P11.3 U10.1 | length 1268.7
  Top Layer w12: U10.1@1343.62,2337.64 1297.36,2337.64 1280,2355 1280,2580 1315,2615 1420,2615 P11.3@1485,2680 1555,2610 2140,2610 P4.1@2170,2640
PA2: P4.3 U10.3 | length 904.8
  Top Layer w12: U10.3@1343.62,2298.27 1686.27,2298.27 1724.76,2336.76 1724.76,2370.37 1794.39,2440 P4.3@2170,2440
PA3: P4.4 U10.4 | length 937.8
  Top Layer w12: U10.4@1343.62,2278.58 1692.04,2278.58 1742.76,2329.3 1742.76,2362.91 1799.85,2420 2090,2420 P4.4@2170,2340
PA4: P4.5 U10.5 | length 990.3
  Top Layer w12: U10.5@1343.62,2258.9 1697.81,2258.9 1760.76,2321.84 1760.76,2355.45 1807.3,2402 2038.46,2402 2138,2302.46 2138,2272 P4.5@2170,2240
PA5: P4.6 U10.6 | length 917.8
  Top Layer w12: U10.6@1343.62,2239.21 1709.51,2239.21 1731.3,2261 1746,2261 v1(1750,2265)
  Bottom Layer w12: v1(1750,2265) 1754.24,2265 1789.24,2300 2010,2300 P4.6@2170,2140
PA6: P4.7 U10.7 | length 996.2
  Top Layer w12: U10.7@1343.62,2219.53 1719.53,2219.53 v1(1740,2240)
  Bottom Layer w12: v1(1740,2240) 1744,2244 1758.7,2244 1796.7,2282 2002.54,2282 2115,2169.54 2115,2095 P4.7@2170,2040
PA7: P4.8 U10.8 | length 1074.5
  Top Layer w12: U10.8@1343.62,2199.84 1730.14,2199.84 1745.3,2215 v1(1755,2215)
  Bottom Layer w12: v1(1755,2215) 1766,2226 1766.15,2226 1804.15,2264 1995.09,2264 2097,2162.09 2097,2013 P4.8@2170,1940
PB0: K3.1 P6.1 U10.31 | length 2974.4
  Top Layer w12: v1(1635,2155) 1638,2152 1638,2062.96 1697.95,2003.01 U10.31@1697.95,1963.62 ; v1(2065,2463.47) 2063.47,2463.47 2060,2460 2069.3,2460 2106.83,2497.53 2200,2497.53 2215,2512.53 2215,2585 P6.1@2270,2640 2370,2640 2430,2580 2430,1990 2485,1935 2730,1935 2765,1970 2865,1970 2895,1940 2895,1874 K3.1@2805,1784
  Bottom Layer w12: v1(1635,2155) 1635,2159.3 1634,2160.3 1634,2294 1758,2418 2019.53,2418 v1(2065,2463.47)
  Bottom Layer w30: K3.1@2805,1484 K3.1@2805,1784
PB1: K4.1 P6.2 U10.32 | length 3027.8
  Top Layer w10: v1(1655,2170) 1655,2070 1717.64,2007.36 U10.32@1717.64,1963.62 ; v1(2100,2461) 2101,2460 2105,2460 2125.53,2480.53 2210.53,2480.53 P6.2@2270,2540 2385,2540 2413,2512 2413,1972 2475,1910 v1(2475,1865) ; v1(2475,1380) 2781,1380 K4.1@2805,1356
  Bottom Layer w10: v1(1655,2170) 1655,2194.49 1651,2198.49 1651,2286.96 1765.04,2401 2040,2401 v1(2100,2461) ; v1(2475,1380) v1(2475,1865)
  Bottom Layer w30: K4.1@2805,1056 K4.1@2805,1356
PB2: K5.1 P6.3 U10.33 | length 3236.7
  Top Layer w10: v1(1675,2155) 1675,2075 1707.64,2042.36 U10.33@1796.38,2042.36 ; P6.3@2270,2440 2342,2440 2397,2385 2397,1953 2450,1900 v1(2450,1845) ; v1(2480,1215) 2480,1000 2552,928 K5.1@2805,928
  Bottom Layer w10: v1(1675,2155) 1675,2197.12 1667,2205.12 1667,2280.33 1771.67,2385 2215,2385 P6.3@2270,2440 ; v1(2450,1845) 2455,1840 2455,1371.72 2480,1346.72 v1(2480,1215)
  Bottom Layer w30: K5.1@2805,628 K5.1@2805,928
PB3: K6.1 P6.4 U10.34 | length 3459.1
  Top Layer w10: v1(1695,2175) 1700,2170 1700,2097.37 1735.33,2062.05 U10.34@1796.38,2062.05 ; P6.4@2270,2340 2381,2229 2381,1929 2425,1885 v1(2425,1820) ; v1(2460,1235) 2460,595 2555,500 K6.1@2805,500
  Bottom Layer w10: v1(1695,2175) 1695,2199.75 1688,2206.75 1688,2278.7 1761.3,2352 2027.3,2352 2083.3,2296 2146.06,2296 2146.59,2296.53 2226.53,2296.53 P6.4@2270,2340 ; v1(2425,1820) 2439,1806 2439,1365.09 2460,1344.09 v1(2460,1235)
  Bottom Layer w30: K6.1@2805,200 K6.1@2805,500
PB4: P6.5 U10.35 | length 895.3
  Top Layer w10: v1(1720,2170) 1720,2100 1738.27,2081.73 U10.35@1796.38,2081.73
  Bottom Layer w10: v1(1720,2170) 1720,2197.37 1704,2213.37 1704,2272.08 1767.92,2336 2020.67,2336 2076.67,2280 2152.69,2280 2153.21,2280.53 2229.47,2280.53 P6.5@2270,2240
PB5: P6.6 U10.36 | length 864.7
  Top Layer w12: v1(1745,2185) 1745,2115 1758.58,2101.42 U10.36@1796.38,2101.42
  Bottom Layer w10: v1(1745,2185) 1745,2195 1720,2220 1720,2265 1775,2320 2014.04,2320 2144.04,2190 2220,2190 P6.6@2270,2140
PB6: P6.7 U10.37 | length 777.9
  Top Layer w10: U10.37@1796.38,2121.1 1898.9,2121.1 1920,2100 v1(1920,2095)
  Bottom Layer w10: v1(1920,2095) 2131.53,1883.47 2278.47,1883.47 2320,1925 2320,1990 P6.7@2270,2040
PB7: P6.8 U10.38 | length 590.4
  Top Layer w10: U10.38@1796.38,2140.79 1909.21,2140.79 v1(1925,2125)
  Bottom Layer w10: v1(1925,2125) 2150.53,1899.47 2229.47,1899.47 P6.8@2270,1940
PC5: P8.6 U10.60 | length 2335.6
  Top Layer w10: v1(1215,1925) 1315,1825 v1(1315,1340) ; v1(1500,2510) 1500,2417.48 U10.60@1501.1,2416.38
  Bottom Layer w10: v1(1215,1925) 1215,1932.37 1321,2038.37 1321,2428.37 1402.63,2510 v1(1500,2510) ; v1(1315,1340) P8.6@2170,1340
PC6: P8.7 U10.61 | length 2333.5
  Top Layer w10: v1(1250,1925) 1335,1840 v1(1335,1240) ; v1(1480,2490) 1481.42,2488.58 U10.61@1481.42,2416.38
  Bottom Layer w10: v1(1250,1925) 1250,1944.75 1337,2031.75 1337,2421.75 1405.25,2490 v1(1480,2490) ; v1(1335,1240) P8.7@2170,1240